# KiCad board tc2-panel.kicad_pcb (continued)
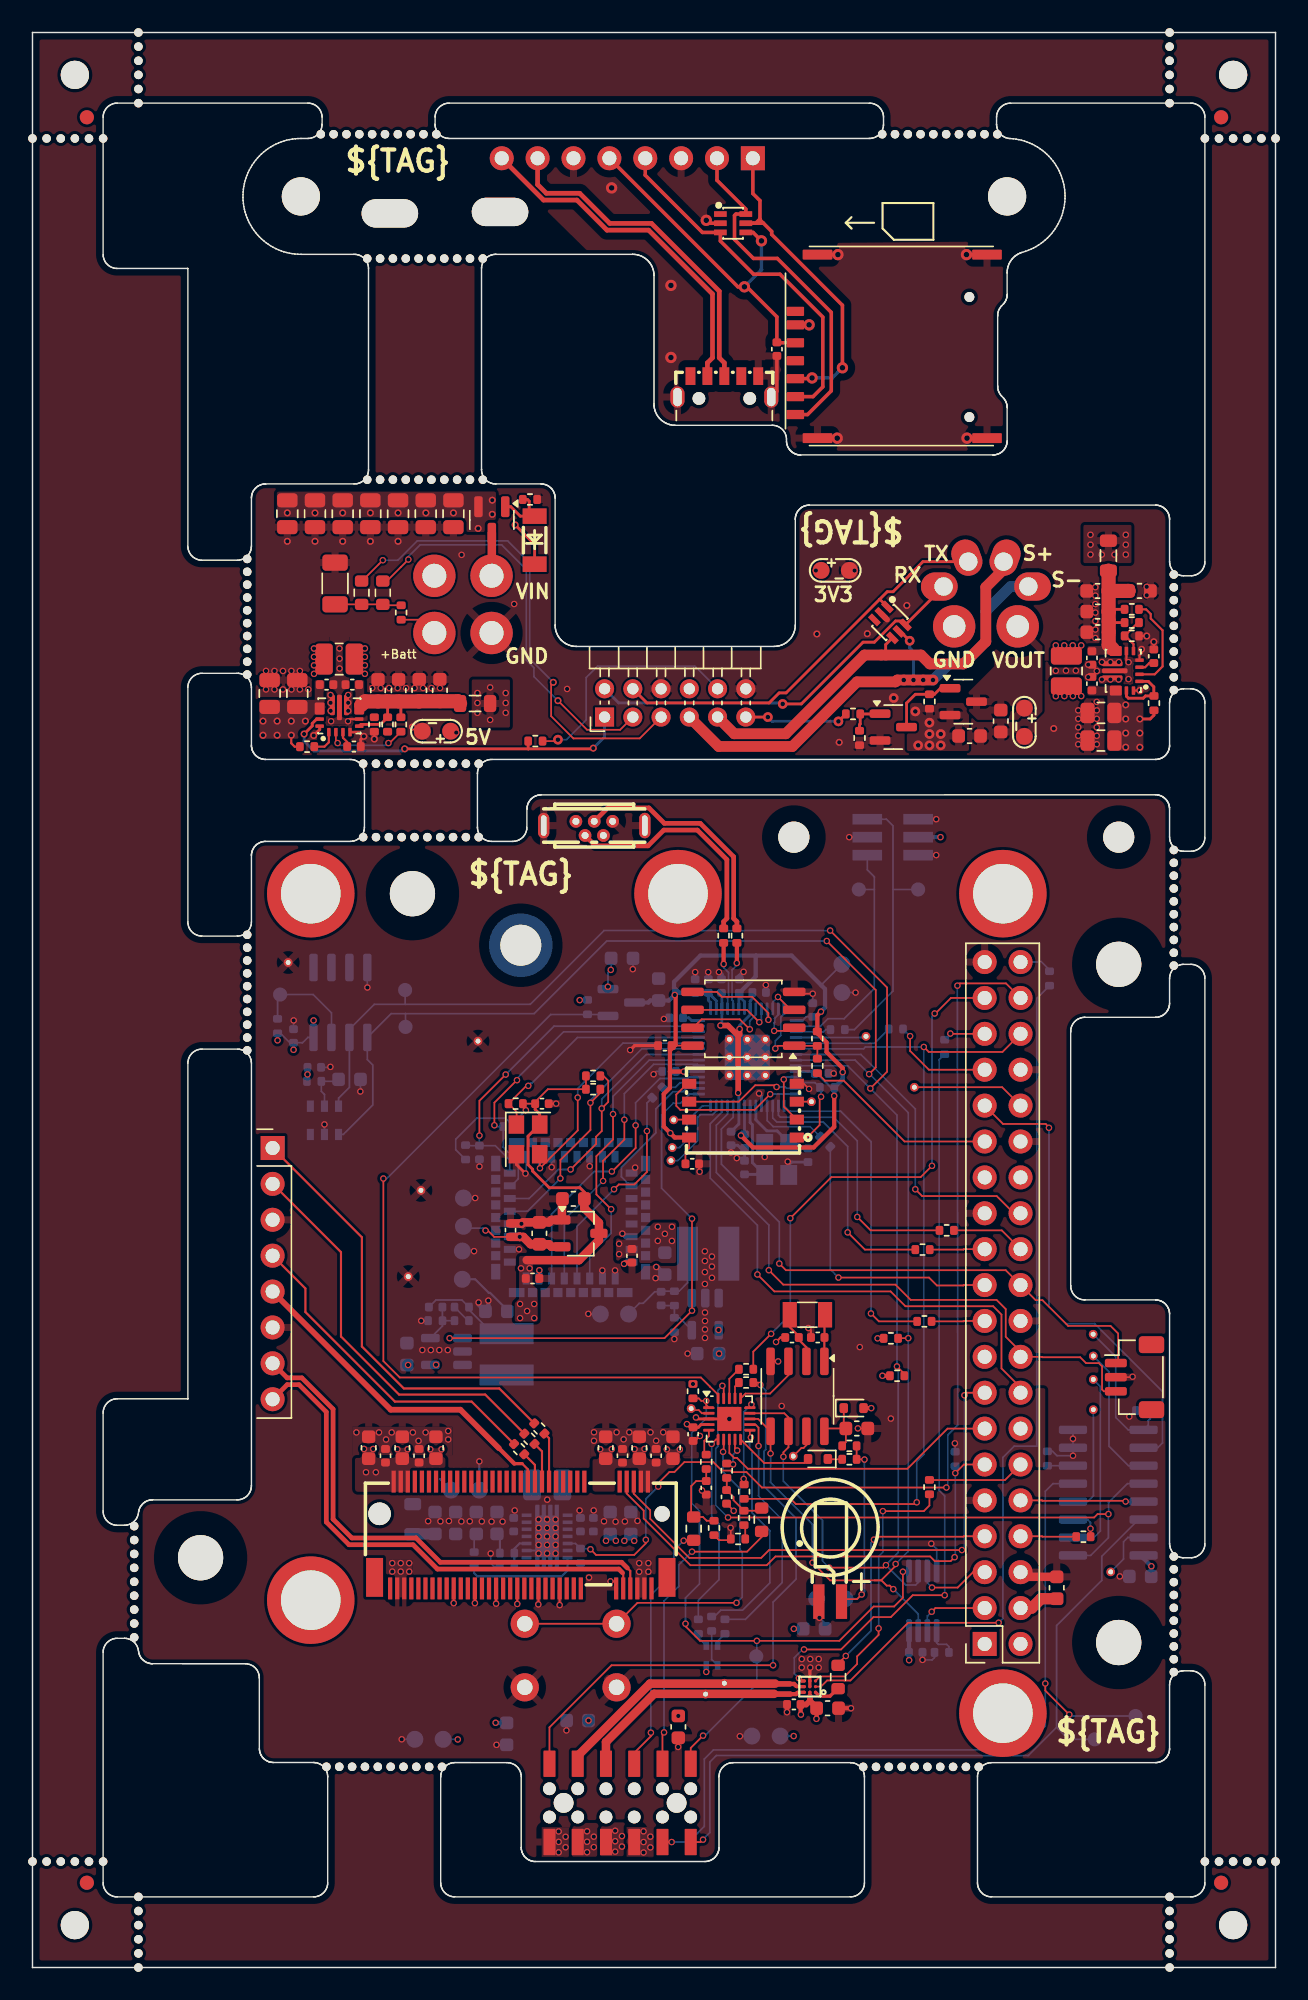
[diagram p0: board, top side]
## Nets (continued)
Net-(U117-PB3)-main: R159.1 U117.11
Net-(U201-EN)-plugs: R208.2 U201.1 U201.14
Net-(U201-FB)-plugs: R207.2 R209.1 U201.5
Net-(U201-PG)-plugs: R210.2 U201.2
Net-(U201-Vaux)-plugs: C218.1 U201.3
Net-(U202-PG)-plugs: R215.2 U202.2
Net-(U202-PS/SYNC)-plugs: R213.2 U202.1
Net-(U202-Vaux)-plugs: C227.1 U202.3

Pads without a net: D202 3; D501 1; J102 1 4; J103 MP_1 MP_2; J105 1; J106 1; J107 1; J108 1; J109 1; J110 1 17 27 28; J112 1; R212 2; R214 1; U104 1 6; U106 1 2 3; U114 3 4 5 17 28 29 31 32; U115 1 13; U116 1 10 20 21 22 23 24 25 26 28 29 31 35 37 38 40 41 42 43 44 46 47 48 49 50 52 53 54 55 56 58 59 60 61 62 63 64 65 66 67 68 69 75 76 77; U503 C6 CD; USB501 1 4

## Via types
v1: diameter 0.46, hole 0.3, Top to Bottom, 482 vias
v2: diameter 0.686, hole 0.33, Top to Bottom, 18 vias
v3: diameter 0.5, hole 0.3, Top to Bottom, 48 vias
v4: diameter 0.8, hole 0.4, Top to Bottom, 13 vias

## Routing (per net, layer and track width the routed paths; a pad name or vN(x,y) marks a point on that pad's centre or on a via; arc(x,y) is an arc through that point)
5V_EN-main: length 48.7
  Top w0.12: R149.1 47.17,40.28 47.35,40.1 v1(47.7,40.1) 47.7,39.81 U117.1 ; v1(47.47,16.41) 46.6,15.54 J104.1 ; v1(61.62,28.01) 61.62,26.17 61,25.55 59.55,25.55 57.12,23.12 v1(51.28,23.12) 47.26,23.12 46.26,24.12 46.26,24.3 v1(46.23,24.33)
  Bottom w0.12: v1(47.47,16.41) 47.61,16.41 51.28,20.08 v1(51.28,23.12) ; v1(46.23,24.33) 46.23,26.16 47.22,27.15 47.22,32.31 46.67,32.86 46.67,37.84 47.7,38.87 v1(47.7,40.1) ; v1(61.62,28.01) 61.67,28.06 U108.1
5V_EN-plugs: length 26.1
  Top w0.2: 35.1,86.25 35.09,86.26 R211.2 ; 35.1,86.25 v3(26.35,86.25) ; 35.1,86.25 39.65,86.25 v3(39.7,86.3) ; U202.14 20.11,88.35 19.8,88.05 19.8,87.87 v3(19.23,87.3)
  Bottom w0.2: v3(19.23,87.3) 19.23,86.8 19.93,86.1 26.2,86.1 v3(26.35,86.25) ; v3(39.7,86.3) 40.5,87.1 J203.1
+1V1-main: length 14.4
  Top w0.4: 49.96,65.93 50.06,66.03 v1(50.06,66.42) ; 49.96,65.93 v1(49.96,61.9) ; 49.96,65.93 49.96,65.95 49.23,66.67 v1(48.71,66.67)
  Bottom w0.2: 50.97,68.98 50.97,68.57 50.81,68.41 U102.50 50.81,67.42 50.06,66.67 v1(50.06,66.42) ; v1(48.71,66.67) 48.81,66.77 U102.45 48.81,68.95 ; 49.46,59.16 50.01,59.7 U102.23 50.01,61.85 v1(49.96,61.9)
+1V2-main: length 7.1
  Bottom w0.12: L102.2 46.38,48.47 45.78,47.87 R130.2 44.54,47.87 ; TP132.2 42.96,47.01 43.23,47.01 44.05,47.83 C139.2
  vias: v1(41.53,51.22) v1(41.53,50.49) v1(44.27,52.43) v1(44.27,51.43) v1(44.77,51.93) v1(45.27,52.43) v1(45.27,51.43)
+2V8-main: length 8.1
  Top w0.12: 33.84,51.71 32.69,51.71 32.23,52.16 v1(32.07,52.16)
  Top w0.6: 33.84,51.71 34.49,51.71 v1(34.49,51.71) 34.5,51.71 34.75,51.71 35.27,51.19 C138.1 36.57,51.19 36.74,51.01 37.48,51.01
  Bottom w0.12: v1(32.07,52.16) 31.9,52.33 30.64,52.33
  Bottom w0.6: v1(34.49,51.71) 34.48,51.73 U114.19
+3V0-main: length 43.4
  Top w0.12: R136.1 R137.1 36.48,62.16 35.59,61.26 ; 34.72,60.88 v1(34.93,60.67) ; C141.1 R132.2
  Top w0.2: C141.1 35.59,60.73 35.91,60.41 U113.4 35.08,58.83 35.08,56.82 35.41,56.49 35.41,56.36 36.58,55.19 38.75,55.19 39.07,54.88 C137.1
  Top w0.6: C137.1 39.07,53.74 40.1,52.7 40.1,51.47 38.69,50.06 34.99,50.06
  Bottom w0.12: 32.6,44.86 30.91,46.55 ; C134.2 28.56,47.24 30.4,47.24 30.91,46.73 ; v1(34.93,60.67) 34.34,60.08 R133.1 34.09,59.52 33.77,59.83 33.77,59.83 33.49,60.11 31.45,60.11 29.96,58.62 29.96,57.88 29.97,57.88 R134.1
  Bottom w0.15: 33.62,46.53 32.39,47.75 32.3,47.75 31.34,48.71 TP131.2
  vias: v1(34.52,46.96) v1(34.52,45.96) v1(34.58,49.49) v1(35.02,46.46) v1(35.19,49.49) v1(35.52,46.96) v1(35.52,45.96)
+3V3-main: length 20.6
  Top w0.2: 46.56,38.23 v1(46.33,38.46) ; U117.4 47.33,38.42 47.14,38.23 C166.2
  Top w0.3: v1(59.38,39.59) 59.38,39.59 D101.2 ; R107.1 v1(60.17,41.88) ; R105.1 v1(59.83,44.53)
  Bottom w0.12: v1(65.3,37.1) 65.32,37.08 R142.1 ; v1(30.11,16.14) 30.1,16.15 TP118.2 ; R115.2 v1(17.35,65.62) ; v1(19.9,67.03) 19.89,67.03 U106.8 19.5,65.83 19.12,65.45 C121.2 ; 17.55,66.12 18.22,65.45 C121.2 ; C121.2 v1(18.48,64.95) ; 40.74,69.42 40.74,70.41 v1(40.94,70.61) 40.97,70.63 40.97,71.43 ; 39.29,68.47 v1(38.74,68.47) ; 19.47,62.76 v1(19.47,63.21) C118.1
  Bottom w0.3: C125.1 32.8,17.31 v1(32.79,17.32) ; U108.8 62.05,22.32 ; C124.1 v1(53.9,23.97) ; U109.16 78.66,28.95 v1(79.21,28.4) 79.2,28.39 C132.1 ; C130.2 62.05,21.76 v1(62.06,21.75) ; v1(64.28,80) J101.4 ; LED101.2 v1(47.7,20.92)
  vias: v1(26.59,42.64) v1(28.57,42.66) v1(39.26,9.64) v1(39.26,8.9) v1(39.26,8.16) v1(39.74,9.26) v1(39.74,8.52) v1(40.74,69.42) v1(46.76,41.3) v1(48.57,45.12) v1(48.61,43.45)
+3V3-plugs: length 17
  Top w0.12: v2(37.2,86.9) 37.1,86.8 R211.1
  Bottom w0.12: v2(37.2,86.9) 37.8,86.9 39.2,88.3 39.2,91.3 40,92.1 46.9,92.1 J203.10
  vias: v1(55.46,98.87) v1(74.9,101.4) v1(74.9,100.7) v1(74.9,100) v1(75.7,100) v1(76.6,100) v1(77.4,101.4) v1(77.4,100.7) v1(77.4,100)
+3V3_rp2040-main: length 75
  Top w0.12: U103.8 46.49,58.01 46.23,57.75 C117.1 ; C114.1 46.72,65.25
  Top w0.3: 45.13,64.9 45.53,65.3 45.53,68.77 v1(45.47,68.83) ; 45.13,64.9 45.13,63.41 ; 45.13,64.9 45.13,65.13 ; v1(50.16,58.88) 51,58.04 55.3,58.04 56.76,59.5 v1(56.76,61.69) ; U103.8 45.47,58.74 v1(45.16,59.05) 44.69,59.52 44.69,61.82 45.13,62.26 45.13,63.41 ; 45.13,63.41 v1(46.11,63.41) ; v1(55.82,67.65) 55.56,67.39 R108.1 55.56,66.12 55.92,65.77 56.22,65.47 56.22,64.79 57.36,63.65 v1(57.36,63.37)
  Bottom w0.12: TP103.2 55.84,69.54 55.84,69.51 ; C106.1 54.78,67.29 54.51,67.02
  Bottom w0.15: 55.53,63.28 56.53,62.28 R111.2
  Bottom w0.2: U102.10 55.26,63.42 ; 50.41,59.14 50.41,59.16 ; 50.41,59.14 v1(50.16,58.88) ; 50.41,59.14 50.41,59.16 ; 50.41,59.16 U102.22 ; U102.49 50.41,68.35 50.04,68.72 C108.1 ; U102.43 48.01,68.3 47.85,68.46 C113.1 48.41,68.42 U102.44 ; U102.33 45.72,63.42 ; C105.1 46.47,67.21 46.66,67.02 U102.42 ; U102.48 50.01,68.95 ; 54.51,67.02 U102.1
  Bottom w0.3: 45.42,69.1 45.42,68.81 45.05,68.44 C110.1 43.74,68.44 43.6,68.3 Q101.3 ; 45.42,69.1 45.42,69.76 47.28,71.62 51.22,71.62 ; 45.42,69.1 45.42,68.88 v1(45.47,68.83) ; 51.22,71.62 51.2,71.6 51.2,70.14 C108.1 ; 51.22,71.62 53.74,71.62 56.11,69.25 56.11,67.94 ; 45.42,69.35 45.79,68.98 46.44,68.98 ; 56.11,67.94 v1(55.82,67.65) ; 56.11,67.94 55.46,67.29 C106.1 ; 46.44,68.98 C109.1 ; 46.44,68.98 C113.1 ; v1(57.36,63.37) 57.36,62.87 R111.2 56.77,61.7 v1(56.76,61.69)
+3V8-main: length 1.1
  Bottom w0.15: TP134.2 28.85,34.57
  vias: v1(23.47,36.7) v1(23.61,35.05) v1(24.12,36.7) v1(24.31,35.05) v1(25.83,36.68) v1(26.56,36.68) v1(28.16,36.68) v1(28.96,36.68) v1(40.19,36.68) v1(41.01,36.69) v1(42.62,36.69) v1(43.33,36.7) v1(44.91,36.67) v1(45.83,36.67)
+5V-main: length 7.4
  Top w0.23: U107.A2 55.03,19.18 55.04,19.17
  Top w0.3: v1(54.4,17.9) 54.38,17.92 C129.2 54.73,18.62 54.76,18.59 ; 55.52,18.35 55.52,17.61 v1(55.5,17.6)
  Top w0.4: 55.04,18.88 55.04,19.17 55.06,19.15 ; 55.04,18.88 54.76,18.59 ; 55.04,18.88 55.56,18.35
  Top w0.8: J110.4 70.74,25.44 71.4,26.1 C131.1
  Bottom w0.12: TP119.2 v1(53.89,16.38)
  vias: v1(39.37,17.48) v1(40.6,30.2) v1(41.25,9.68) v1(41.25,8.94) v1(41.25,8.2) v1(41.3,30.2) v1(41.73,9.3) v1(41.73,8.56) v1(41.9,30.2) v1(42.6,30.2) v1(45.72,17.8)
+5V-plugs:
  vias: v1(30,87.4) v1(31.5,90.2) v1(31.5,89.5) v1(31.5,88.8) v1(32.4,90.6) v1(32.4,88.3) v1(33.5,90.2) v1(33.5,89.5) v1(33.5,88.8)
/3V3_L1-plugs:
  vias: v1(72.44,89.97) v1(73.06,89.98) v1(73.66,89.98) v1(74.25,89.98) v1(75.71,91.16) v1(76.31,91.16) v1(76.9,91.16)
/3V3_L2-plugs:
  vias: v1(72.44,93.58) v1(73.05,93.58) v1(73.64,93.58) v1(74.25,93.58) v1(75.71,92.39) v1(76.31,92.39) v1(76.91,92.39)
/3V3_PHY-plugs: length 9.2
  Top w0.2: R210.1 76.35,96.12 ; 76.19,95.28 76.28,95.19 R207.1
  Top w1: C216.1 76.18,98.85 FB201.1 ; C216.1 77.59,97.42 C217.1 ; C216.1 76.18,95.97 C215.1 C214.1 76.19,93.6 76.47,93.33
/5V_L1-plugs:
  vias: v1(19.93,93.35) v1(19.93,92.76) v1(19.93,92.16) v1(19.93,91.56) v1(21.1,90.06) v1(21.1,89.51) v1(21.11,88.94)
/5V_L2-plugs:
  vias: v1(22.35,90.06) v1(22.35,89.51) v1(22.35,88.94) v1(23.53,93.35) v1(23.53,92.76) v1(23.53,92.16) v1(23.53,91.56)
/5V_PHY-plugs: length 11.5
  Top w0.2: U202.5 23.25,87.98 24.64,87.98 R212.1 25.14,89.6 25.13,89.61 ; R215.1 26.08,89.45
  Top w1: FB202.1 30.11,89.62 C226.1 C225.1 27.37,89.61 C224.1 C223.1 23.54,89.61 23.28,89.35
/VIN_PHY-plugs: length 3
  Top w0.6: Q201.3 32.52,98.52
GND-main: length 91.6
  Top w0.12: v1(77.88,41.81) 77.85,41.78 J103.2 ; R160.2 48.61,30.24 49.36,30.24 ; U103.4 54.61,62.55 v1(54.98,62.18) ; 45.72,16.25 45.72,15.62 v1(45.71,15.61) ; v1(37.07,61.14) 37.07,61.14 C141.2 ; R153.2 49.44,31.1 v1(49.42,31.12) ; C120.2 58.44,38.15 v1(58.44,38.16) ; U105.4 52.78,42.9 v1(52.79,42.9) ; v1(40.92,27.33) 40.92,27.33 41.31,27.33 ; v1(47.23,56.32) 47.19,56.36 C117.2 ; v1(49.64,32.32) 49.64,32.33 C167.1 ; 46.9,37.27 v1(47.25,37.62) ; v1(55.24,68.92) 54.09,68.92 ; 47.69,33.47 v1(47.4,33.76) ; C143.2 v1(35.88,49.35)
  Top w0.15: U116.27 v1(37.32,25.65) ; U116.33 35.82,25.71 v1(35.81,25.7) ; v1(52.64,44.27) 52.96,44.59 C123.2 ; U116.57 v1(29.82,25.79) ; U116.51 v1(31.32,25.79) ; C122.2 55.11,45.08 v1(54.93,45.26) ; U116.39 v1(34.32,25.73) ; U116.45 v1(32.82,25.75)
  Top w0.2: v1(46.97,38.93) 46.97,38.91 47.05,38.83 U117.3 v2(49.33,38.83) ; 34.26,57.56 34.26,56.83 v1(34.9,56.19)
  Top w0.23: v1(55.06,21.23) 55.03,21.2 U107.C2 U107.B2 ; v1(42.31,64.93) 42.63,65.25 C114.2
  Top w0.3: C142.2 41.97,49.89 v1(41.88,49.8) ; C128.2 v1(57.95,18.35) ; v1(53.41,18.07) 53.42,18.07 C129.1
  Top w0.6: 37.48,54.37 37.48,52.91 36.74,52.91 36.57,52.74 C138.2 34.72,52.74 v1(34.62,52.64) 34.59,52.67 C144.2 ; C131.2 70.28,27.65
  Bottom w0.12: v1(46.38,43.45) 46.38,43.45 C136.2 ; C145.2 v1(31.64,56.69) ; 64,28.06 64,29.62 v1(63.63,30) ; v1(34.9,56.19) 34.95,56.24 U114.25 ; v1(50.08,16.37) 50.09,16.38 TP119.1 ; TP133.1 v1(31.34,54.46) ; C132.2 v1(76.98,27.68) ; TP118.1 v1(26.14,16.15) ; R125.1 72.22,36.53 72.53,36.22 v1(73.66,36.22) U109.7 v1(73.66,37.42) U109.8 ; C111.2 42.52,70.67 v1(42.5,70.66) ; TP132.1 39.36,46.25 v1(39.35,46.26) ; 78.07,39.41 v1(77.65,38.99) ; R140.2 32.66,28.39 32.44,28.61 v1(32.44,29.3) ; v1(55.24,68.92) 55.24,68.91 C106.2 ; v1(44.7,67.14) 44.78,67.21 C105.2 ; v1(27.52,45.77) 27.53,45.78 R129.2 ; TP131.1 31.25,50.71 v1(31.26,50.7) ; C125.2 v1(32.85,15.76) ; U114.27 36.75,56.64 v1(36.75,56.64) ; C118.2 21.06,63.71 v1(21.09,63.74) ; v1(23.71,69.36) 23.7,69.36 23.7,70.78 ; R117.1 63.86,21.94 63.69,21.77 v1(63.01,21.77) C130.1 ; C104.2 44.17,63.42 v1(43.97,63.22) ; U104.5 v1(20.67,59.67) ; U114.18 34.44,50.83 v1(34.44,50.83) ; C121.1 18.48,67.02 v1(18.49,67.03) ; v1(37.8,16.78) 37.81,16.8 37.81,17.48 ; 56.12,24.34 v1(55.71,24.75) ; TP103.1 v1(58.27,69) ; v1(45.44,44.48) 45.44,44.48 R131.2 ; C119.2 23.22,62.01 v1(23.21,62) ; U114.30 v1(39.45,56.71)
  Bottom w0.15: TP134.1 31.63,35.82 v1(31.63,35.82) ; v1(35.83,29.31) 35.63,29.51 U115.2 ; C103.2 v1(56.72,63.28) ; v1(55.71,24.75) 55.71,25.91
  Bottom w0.2: v1(49.45,57.69) 49.46,57.7 C102.2 49.92,58.2 50.12,58.01 50.41,58.01 C116.1 ; U102.19 51.61,61.69 v1(51.44,61.86) ; v1(53.47,57.03) 53.54,56.97 Y101.2 53.54,56.8 53.75,57.01 54.9,57.01 ; J101.6 v1(63.98,78.73) ; Y101.4 v1(51.84,57.37) ; J101.3 v1(57.82,80) ; 50.41,57.28 v1(49.86,57.28) ; J101.2 v1(63.98,81.27)
  Bottom w0.3: v1(44.16,49.58) 44.23,49.58 C140.2 ; C112.2 48.78,70.27 v1(48.6,70.45) ; C113.2 47.85,70.44 v1(47.84,70.45) ; v1(41.88,49.8) 41.97,49.89 42.38,49.89 ; U114.1 42.67,56.48 v1(42.67,56.61) ; v1(40.34,49.34) 40.35,49.33 U114.10 ; v1(31.58,47.07) 31.58,46.92 C135.2 ; U114.9 41.25,49.33 v1(41.24,49.34) ; v1(32.27,47.2) 32.27,46.64 ; C109.2 v1(46.92,70.45) ; v1(41.76,51.94) 41.98,51.73 U114.6 ; C108.2 50.04,70.17 v1(50.34,70.47) ; v1(51.92,69.54) 51.93,69.53 C101.2 ; v1(44.11,48.79) 44.52,48.79
  Bottom w0.6: v1(34.62,52.64) 34.61,52.62 U114.20
  vias: v1(22.93,37.87) v1(24.53,37.87) v1(25.03,37.37) v1(25.43,37.87) v1(25.47,28.62) v1(25.47,28.02) v1(26.07,28.62) v1(26.07,28.02) v1(26.67,28.62) v1(26.67,28.02) v1(26.93,37.87) v1(27.33,37.27) v1(27.6,43.7) v1(27.83,37.87) v1(28.01,31.59) v1(28.2,43.7) v1(28.8,43.7) v1(28.88,31.58) v1(29.4,43.7) v1(29.43,37.97) v1(29.43,37.37) v1(29.48,31.6) v1(30.36,31.57) v1(30.96,31.58) v1(31.81,31.57) v1(32.5,31.56) v1(33.28,31.56) v1(34.14,32.35) v1(35.83,31.71) v1(35.83,31.11) v1(35.83,30.51) v1(35.83,29.91) v1(36.44,33.11) v1(36.43,31.71) v1(36.43,31.11) v1(36.43,30.51) v1(36.43,29.91) v1(36.43,29.31) v1(37.03,31.71) v1(37.03,31.11) v1(37.03,30.51) v1(37.03,29.91) v1(37.03,29.31) v1(37.25,9.63) v1(37.25,8.89) v1(37.25,8.15) v1(37.74,9.25) v1(37.74,8.51) v1(38.73,32.35) v1(39.4,27.6) v1(39.73,32.35) v1(39.75,37.88) v1(39.75,37.28) v1(40.46,31.58) v1(41.28,31.55) v1(41.35,37.88) v1(41.85,37.38) v1(41.94,31.57) v1(42.25,37.88) v1(42.83,31.61) v1(42.95,28.62) v1(42.95,28.01) v1(43.26,9.64) v1(43.26,8.88) v1(43.26,8.14) v1(43.6,28.62) v1(43.6,28.01) v1(43.74,9.26) v1(43.74,8.5) v1(43.75,37.88) v1(44.15,37.28) v1(44.65,37.88) v1(47.6,50.69) v1(47.6,50.01) v1(47.6,49.22) v1(47.6,48.38) v1(47.61,46.36) v1(47.61,45.76) v1(47.61,45.16) v1(47.61,44.56) v1(48.1,50.32) v1(48.1,49.61) v1(48.1,48.81) v1(53.04,39.74) v1(54.46,21.83) v1(54.46,21.23) v1(55.06,21.83) v1(55.66,21.83) v1(55.66,21.23) v1(58.57,43.91) v1(60.77,38.85)
GND-plugs: length 8
  Top w0.15: v3(78.4,90.38) 78.38,90.38 U201.15 ; R214.2 v3(24.2,86.94) ; U202.6 22.49,88.35 v1(22.34,88.2) ; R209.2 78.87,94.25 v3(78.88,94.23) ; v1(77.59,92.38) 77.44,92.53 U201.6 ; U201.4 78.37,92.87 78.52,93.02 v3(78.52,93.3) ; U202.4 23.18,87.43 23.46,87.15 v3(23.46,87.13) ; C218.2 v3(79.38,93.83)
  Top w0.2: v3(19.91,87.19) 20.33,87.62 U202.15 ; C227.2 23.24,86.91 v3(23.46,87.13)
  Top w0.4: 60.5,95.4 D202.2
  vias: v1(16.53,91.77) v1(16.53,90.45) v1(17.13,91.77) v1(17.13,90.45) v1(17.73,91.77) v1(17.73,90.45) v1(18.33,91.77) v1(18.33,90.45) v1(18.93,91.77) v1(18.93,90.45) v1(19.53,90.45) v1(21.14,88.2) v1(21.73,93.35) v1(21.74,92.63) v1(21.74,91.94) v1(24.05,90.56) v1(24.65,90.56) v1(25.25,90.56) v1(25.85,90.56) v1(26.45,90.56) v1(27.05,90.56) v1(27.65,90.56) v1(28.25,90.56) v1(28.85,90.56) v1(30.38,99.98) v1(34.1,96.5) v1(37.85,90.49) v1(58.2,98.87) v1(72.44,91.78) v1(73.16,91.78) v1(73.86,91.78) v1(74.03,88.97) v1(74.03,88.38) v1(74.03,87.78) v1(74.03,87.17) v1(74.03,86.58) v1(74.74,92.21) v1(74.74,91.33) v1(75.25,97.69) v1(75.25,97.09) v1(75.25,96.5) v1(75.25,95.9) v1(75.25,95.3) v1(75.25,94.69) v1(75.25,94.09) v1(75.34,89.58) v1(75.34,88.97) v1(75.34,88.38) v1(75.34,87.78) v1(75.34,87.17) v1(75.34,86.58) v1(75.35,91.76) v1(77.59,91.19) v1(78.88,97.72) v1(78.88,97.12) v2(60.97,89.85) v3(18.04,100.94) v3(20,100.94) v3(21.96,100.94) v3(23.92,100.94) v3(25.88,100.94) v3(26.9,87.8) v3(55.53,94.38) v3(57.11,86.71) v3(59.1,94.4) v3(61.9,96.4) v3(72.3,87.69)
GND-sim: length 10.5
  Top w0.25: C501.1 52.7,111.55 USB501.7 ; U503.MP_3 v4(66.12,121.23) ; U503.C5 v4(54.98,116.26) ; D501.2 48,123.45 ; U503.MP v4(56.97,108.24) ; U503.MP_4 v4(57.02,121.23) ; U503.MP_2 v4(66.16,108.24)
  vias: v4(41,125.95) v4(45.2,119.05) v4(45.2,113.95) v4(47.7,123.66)
VCC-plugs: length 6.1
  Top w0.15: R213.1 18.56,86.41 18.32,86.65 v3(18.32,87.22)
  Top w0.2: v3(78.4,88.37) 79.12,88.37 79.4,88.63 R208.1 ; v3(34.17,102.1) 35.55,100.72 D201.1
  vias: v2(62.5,88.9) v2(62.7,86.5) v2(63.5,88.1) v2(63.5,87.3) v2(63.5,86.5) v2(64.3,87.3) v2(64.3,86.5) v3(16.32,88.22) v3(16.32,87.22) v3(17.32,88.22) v3(17.32,87.22) v3(18.04,102.95) v3(18.32,88.22) v3(19.32,88.22) v3(20,102.95) v3(21.96,102.95) v3(23.92,102.95) v3(25.88,102.95) v3(27.85,102.95) v3(29.8,102.95) v3(31.55,101.85) v3(32.55,103.85) v3(32.55,102.85) v3(77.4,89.37) v3(77.4,88.37) v3(77.4,87.37) v3(77.4,86.37) v3(78.4,87.37) v3(78.4,86.37)
4G_POWER_ON-main: length 39.6
  Top w0.12: 42.56,34.89 42.56,33.54 43.73,32.37 43.73,31.76 46.5,28.99 51.59,28.99 52.14,29.54 v1(65.8,29.54) ; J110.15 66.16,40.68 v1(65.98,40.5)
  Bottom w0.12: v1(65.8,29.54) 65.98,29.73 v1(65.98,40.5)
4G_USB_D+-main: length 37.2
  Top w0.15: U116.7 42.32,28.07 42.11,28.28
  Top w0.33: J111.7 18.03,41.73 19.07,41.73 21.28,39.52 21.28,31.73 22.61,30.4 27.15,30.4 28.87,28.68 41.71,28.68 42.11,28.28
4G_USB_D+-sim: length 24
  Top w0.33: USB501.3 48.98,113.57 48.62,113.93 48.62,118.64 43.82,123.44 40.87,123.44 38.74,125.57 36.38,125.57 35.76,126.19 J501.7
4G_USB_D--main: length 36.4
  Top w0.15: 41.77,27.94 41.82,27.89 U116.9
  Top w0.33: J111.8 18.03,41.25 18.87,41.25 20.8,39.32 20.8,31.53 22.41,29.92 26.95,29.92 28.67,28.2 41.51,28.2 41.77,27.94
4G_USB_D--sim: length 24.9
  Top w0.33: USB501.2 47.78,113.57 48.14,113.93 48.14,118.44 43.62,122.96 40.67,122.96 38.54,125.09 36.18,125.09 J501.8
/AHT21_VDD-main: length 2.9
  Bottom w0.12: 21.53,62.72 R112.2 20.45,62.01 20.67,61.79 U104.2
/ATtiny1616/ATTINY_PA3-main: length 1.1
  Top w0.12: U117.2 47.39,39.23 47.17,39.45 46.83,39.45
/ATtiny1616/BATT_SENSE_HV-main: length 3.9
  Top w0.12: R151.2 49.15,33.8 ; C167.2 49.63,33.3 49.63,33.07 R152.1 51.44,32.33
/ATtiny1616/BATT_SENSE_LV-main: length 5.6
  Top w0.12: 46.63,32.06 46.63,34.07 46.99,34.43 C165.2 R147.2 ; R160.1 47.73,31.62 47.47,31.88 R146.2
/ATtiny1616/EN_PERIPH_POWER_PHY-main: length 1.2
  Top w0.12: U117.17 49.73,41.12 R155.1
/ATtiny1616/~{PI_SHUTDOWN_PHY}-main: length 2.3
  Top w0.12: R156.1 49.33,41.66 U117.18
/ATtiny1616/~{READ_ATTINY_CMD_REG_PHY}-main: length 6.2
  Top w0.12: R154.1 50.38,34.55 v1(50.35,34.58) ; U117.15 50.89,39.73 v1(50.89,39.86)
  Bottom w0.12: v1(50.89,39.86) 50.35,39.32 v1(50.35,34.58)
/EEPROM_~{WC}-main: length 7.5
  Bottom w0.12: TP117.1 19.87,68.86 21.16,67.56 U106.7 ; R115.1 17.35,68.68
/GPIO2-main: length 4.9
  Bottom w0.12: U102.4 58.93,65.82
/GPIO16-main: length 5.6
  Bottom w0.12: 48.41,60.62 48.15,60.37 47.28,60.37 47.09,60.17 47.09,58.51 45.69,57.11 TP111.1
/GPIO17-main: length 4.7
  Bottom w0.12: TP112.1 45.8,58.03 46.33,58.56 46.33,59.88 47.43,60.98 U102.28
/I2C_BUS_LOCK_PHY-main: length 7
  Bottom w0.12: 54.05,65.41 59.62,65.41 60.61,66.41
/Lepton/FB_1V2-main: length 3.4
  Bottom w0.12: U111.5 45.8,45.99 R131.1 R130.1 44.52,46.85
/Lepton/FB_3V0-main: length 3.4
  Bottom w0.12: R128.1 29.03,45.78 29.03,45.4 28.17,44.55 ; C134.1 29.02,45.78
/MEM_~{HOLD}/IO3-main: length 1.1
  Top w0.12: U103.7 45.41,60.01
/MEM_~{WP}/IO2-main: length 1
  Top w0.12: U103.3 TP114.1
/modem/MODEM_3V8-main: length 3.8
  Bottom w0.12: R139.1 31.27,30.54
  Bottom w0.15: R138.1 33.09,30.48
  Bottom w0.8: C151.1 26.94,30.69
/PDM_CLOCK_PHY-main: length 2.5
  Bottom w0.12: R104.1 56.16,66.38 56,66.22 U102.3
/Raspberry_Pi/GPIO12-main: length 8.1
  Top w0.12: TP123.1 68.65,62.3 J110.32
/Raspberry_Pi/RPI_SPI_CS_-main: length 5.3
  Top w0.12: J110.24 68.62,52.17 R122.1
/Raspberry_Pi/RPI_SPI_MOSI_-main: length 3.8
  Top w0.12: R123.1 65.9,45.73 65.93,45.76 J110.19
/Raspberry_Pi/RPI_SPI_SCLK_-main: length 3.9
  Top w0.12: R124.1 65.9,50.81 65.93,50.84 J110.23
/Raspberry_Pi/~{UART_MULTIPLEX_EN}-main: length 1.8
  Bottom w0.12: U109.6 71.86,35.52
/RPI_SPI_MISO_PHY-main: length 5.3
  Bottom w0.12: U102.18 52.01,59.94 52.44,59.51 55.05,59.51 R110.1
/RTC_BATTERY-main: length 14.1
  Top w0.12: 57.23,26.07 58.37,26.07 v1(58.7,26.4) ; R114.2 R113.1 58.88,35.97 v1(58.9,35.95)
  Bottom w0.12: TP115.2 58.4,26.1 v1(58.7,26.4) 58.9,26.6 v1(58.9,35.95)
/RTC_CLKO-main: length 2.2
  Top w0.12: TP116.1 54.43,36.77 54.58,36.77 54.79,36.97 U105.7
/RTC_OSCI-main: length 3.2
  Top w0.15: C122.1 56.07,46.16 ; U105.1 56.06,44.58
/RTC_OSCO-main: length 3.5
  Top w0.15: 54.25,44.43 54.79,43.89 U105.2 ; Y102.1 53.61,45.32 54.25,44.68
/RTC_VDD-main: length 4
  Top w0.12: R114.1 57.58,37.18 C120.1 56.26,38.15 ; D101.1 57.43,38.3
/USB_D+_PHY-main: length 4.9
  Top w0.3: R102.1 49.87,71.1 v1(49.86,71.09)
  Bottom w0.12: v1(49.86,71.09) 49.87,71.09 49.87,70.95 49.53,70.61 49.53,68.47 49.61,68.39 U102.47
/USB_D-_PHY-main: length 4.9
  Top w0.3: R103.1 v1(48.93,71.02)
  Bottom w0.12: U102.46 49.21,68.63 49.28,68.7 49.28,70.42 48.93,70.77 48.93,71.09
ATtiny_RESET_UPDI-main: length 46.4
  Top w0.12: v1(49.24,31.85) 75.16,31.85 75.4,32.09 v1(76.17,32.09) ; U117.19 48.93,41.08 v1(48.84,41.17)
  Bottom w0.12: U109.1 74.91,29.16 76.17,30.42 v1(76.17,32.09) 76.18,32.1 76.18,32.91 77.52,34.24 U109.12 ; v1(48.84,41.17) 48.52,40.85 48.52,36.88 48.36,36.72 48.37,36.72 48.37,32.72 v1(49.24,31.85)
BATT_SENSE_HV_PHY-main: length 2.4
  Top w0.12: v1(49.89,36.59) 49.73,36.75 U117.9 ; R151.1 49.53,35.67 v1(49.6,35.61)
  Bottom w0.12: v1(49.89,36.59) 49.6,36.3 v1(49.6,35.61)
BATT_SENSE_LV_PHY-main: length 1.7
  Top w0.12: 47.56,36.44 47.56,37.28 47.88,37.6 U117.5
BATTERY_HV-main: length 21.6
  Top w0.12: J104.3 44.6,16.53 v1(44.71,16.64) ; v1(46.69,29.43) 50.59,29.43 51.62,30.46 R150.1
  Bottom w0.12: v1(46.69,29.43) 45.75,28.49 45.75,26.98 44.71,25.94 v1(44.71,16.64)
BATTERY_HV-plugs: length 34.4
  Top w0.12: J203.5 42.99,86.99 38.29,86.99 36.72,88.56 36.72,90.81 v3(36.87,90.96) ; v1(24.8,99.6) 23.32,98.12 R203.2
  Bottom w0.12: v1(24.8,99.6) 25.87,99.6 27.24,100.97 33.64,100.97 35.2,99.41 35.2,92.63 v3(36.87,90.96)
BATTERY_LV-main: length 17.2
  Top w0.12: v1(46.1,30.21) 46.78,30.21 ; v1(43.78,16.62) 43.78,16.37 42.6,15.19
  Bottom w0.12: v1(43.78,16.62) 43.78,26.36 45.41,27.99 45.41,29.52 v1(46.1,30.21)
BATTERY_LV-plugs: length 28.8
  Top w0.12: v3(37.2,89.66) 39.26,87.6 41.6,87.6 J203.3 ; R202.2 25.09,98.12 v1(26.61,99.65)
  Bottom w0.12: v1(26.61,99.65) 26.61,99.86 27.44,100.69 33.21,100.69 34.96,98.94 34.96,92.53 35.5,91.99 35.5,91.36 v3(37.2,89.66)
BOOT_MODE-main: length 13.8
  Top w0.12: J110.29 61.74,58.46 57.44,62.77 56.1,62.77 R109.2
EN_PERIPH_POWER-main: length 42.5
  Top w0.12: R155.2 51.36,41.4 v1(51.53,41.23) ; v1(52.43,21.39) 40.99,21.39 36.6,17 J104.11
  Bottom w0.12: v1(52.43,21.39) 52.43,25.86 54.06,27.49 54.06,31.79 51.79,34.06 51.79,36.54 51.91,36.66 51.91,40.85 v1(51.53,41.23)
EN_PERIPH_POWER-plugs: length 7.4
  Top w0.2: J203.11 v2(52.06,88.5) ; R205.1 v2(57.05,88.19)
  Bottom w0.2: v2(52.06,88.5) 52.36,88.2 57.05,88.2 v2(57.05,88.19)
I2C_BUS_LOCK-main: length 7.6
  Top w0.12: v1(62.13,65.92) 62.13,64.87 63.46,63.54 J110.33
  Bottom w0.12: R106.1 v1(62.13,65.92)
I2S_BCLK-main: length 19.3
  Top w0.12: U107.C1 55.76,20.6 57.5,20.6 58.38,21.48 58.38,22.02 59.9,23.54 v1(59.9,24) ; R119.1 63.5,32.7 63.1,32.3 v1(60.2,32.3)
  Bottom w0.12: v1(60.2,32.3) 60.2,29.4 59.9,29.1 v1(59.9,24)
I2S_DOUT-main: length 62.4
  Top w0.12: v1(68.4,24.4) 61.99,24.4 57.9,20.31 57.48,20.31 57.47,20.32 56.26,20.32 55.82,19.88 U107.B1
  Bottom w0.12: R121.1 71.1,68.59 71.1,36.9 69.5,36.9 68.7,36.1 68.7,24.7 v1(68.4,24.4)
I2S_LRCLK-main: length 53.1
  Top w0.12: v1(64.58,26.35) 62.31,26.35 60.76,24.8 59.53,24.8 57.24,22.51 v1(54.62,22.51)
  Top w0.23: v1(54.26,20.48) 54.46,20.28 U107.C3
  Bottom w0.12: v1(54.26,20.48) 53.93,20.81 53.93,21.92 54.52,22.51 v1(54.62,22.51) ; R120.1 64.19,64.25 64.19,33.77 64.58,33.37 v1(64.58,26.35)
LEPTON_CLK_EN-main: length 17.1
  Top w0.12: v1(35.1,62.4) 34.96,62.4 R132.1 34.27,60.56 34.27,59.7
  Bottom w0.12: U102.39 38.58,65.82 35.36,62.6 35.3,62.6 v1(35.1,62.4)
LEPTON_I2C_SCL-main: length 21.1
  Top w0.12: 40.2,61.9 v1(39.5,61.2) 39.5,59.27 37.37,57.15 v1(37.37,55.85)
  Bottom w0.12: v1(39.5,61.2) 39.5,61.38 43.14,65.02 U102.37 ; U114.21 35.05,53.52 v1(37.37,55.85)
LEPTON_I2C_SDA-main: length 22.1
  Top w0.12: R136.2 40.42,63.1 40.76,62.76 40.76,61.26 v1(40.3,60.8) 40.3,59.2 39.9,58.8 39.9,58.28 v1(38.1,56.48)
  Bottom w0.12: U114.22 35.16,54.42 37.22,56.48 v1(38.1,56.48) ; U102.36 43.46,64.62 40.3,61.46 v1(40.3,60.8)
LEPTON_MASTER_CLK-main: length 18.5
  Top w0.12: 35.92,57.61 v1(35.92,56.57) 38.6,59.24 v1(38.6,61.57)
  Bottom w0.12: v1(35.92,56.57) 35.85,56.64 U114.26 ; U102.38 41.8,65.42 38.6,62.22 v1(38.6,61.57)
LEPTON_POWER_EN-main: length 37.8
  Top w0.12: v1(29.53,44.54) 44.74,44.54 v1(46.69,46.49) v1(46.69,53)
  Bottom w0.12: U102.29 46.52,61.82 45.87,61.17 45.36,61.17 44.54,60.35 44.54,55.15 v1(46.69,53) ; U111.1 46.68,46.5 v1(46.69,46.49) ; v1(29.53,44.54) 30.44,44.54
LEPTON_PWR_DWN_L-main: length 23.7
  Top w0.12: v1(32.7,59.61) 32.7,61.21 34.29,62.8 v1(34.3,62.8)
  Bottom w0.12: 33.9,55.33 34.39,55.81 34.39,56.99 33.32,58.06 R133.2 32.8,59.52 v1(32.7,59.61) ; U102.40 37.6,66.22 34.3,62.92 v1(34.3,62.8)
LEPTON_RESET_L-main: length 25.3